# Altium PCB eeg.PcbDoc (continued)
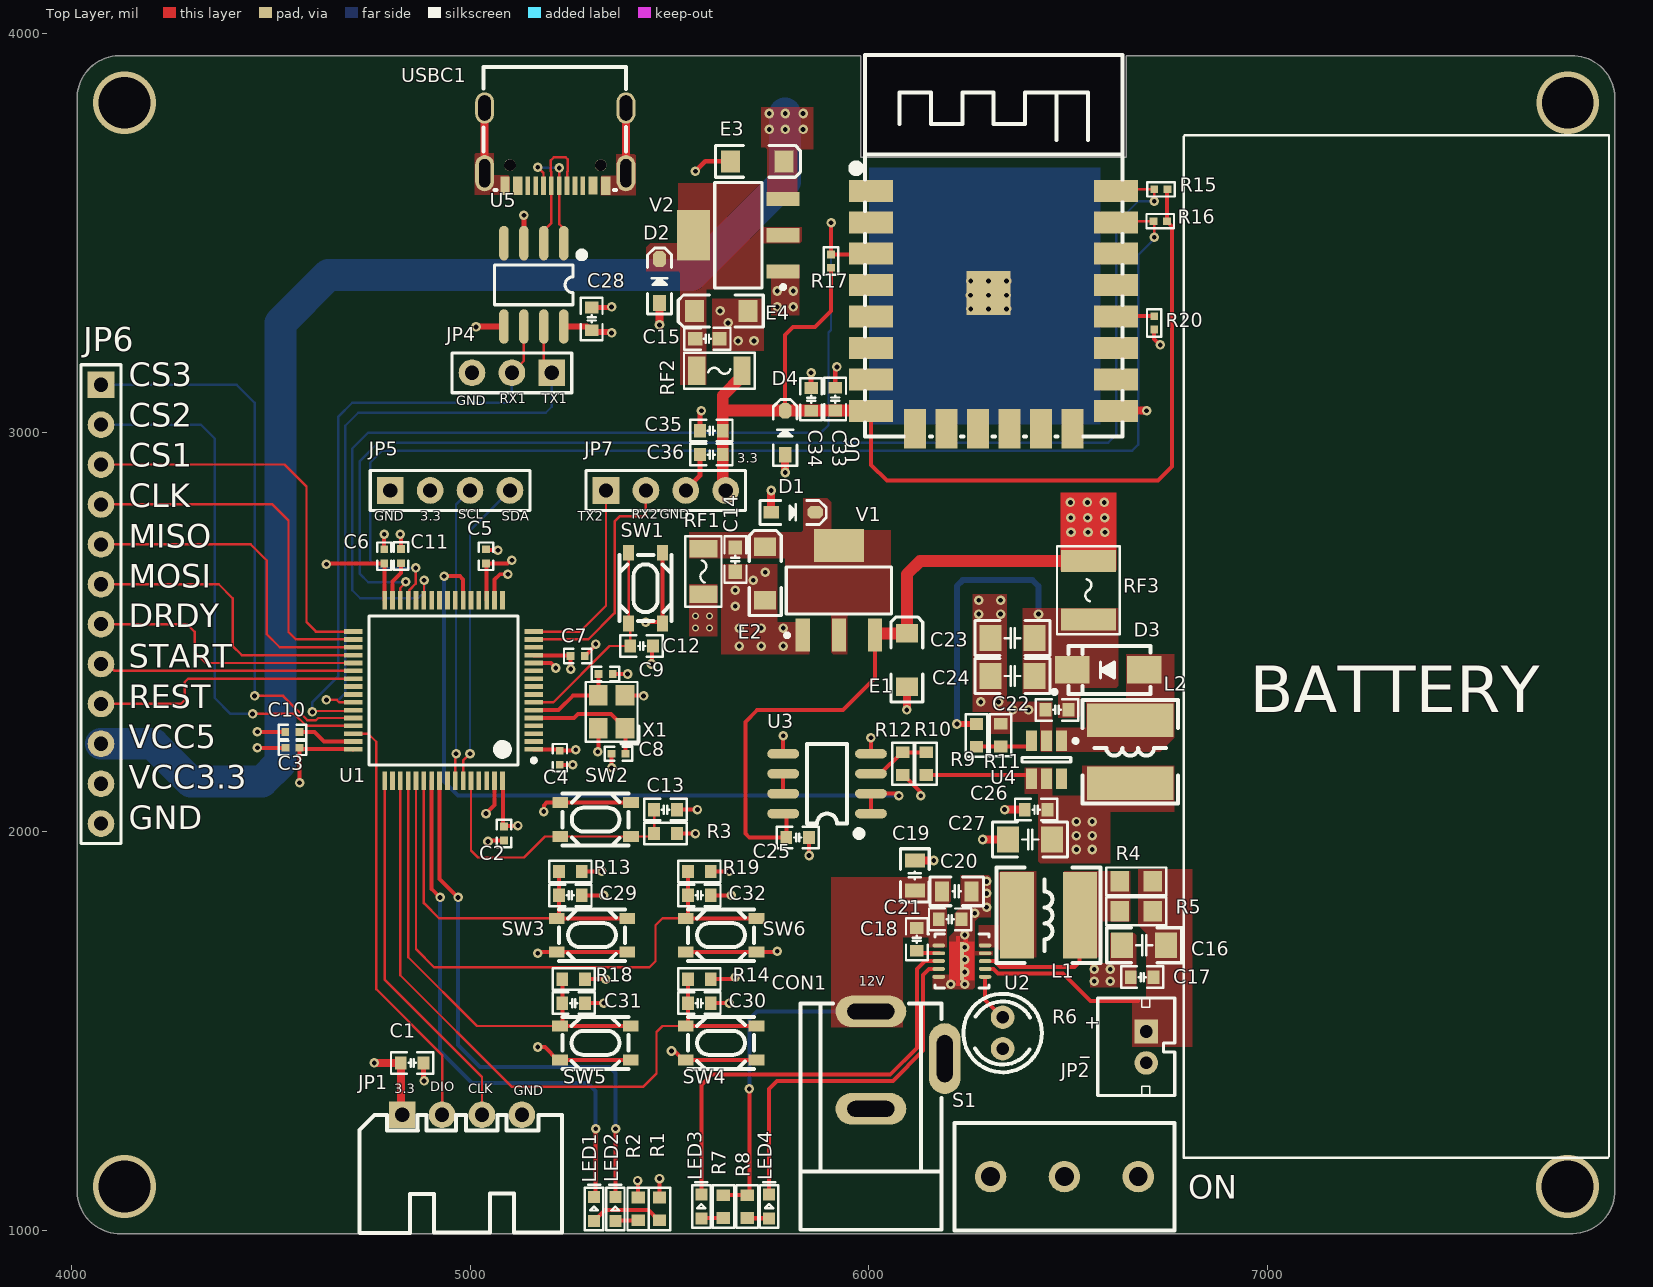
[diagram p0: Top Layer view]
## Footprints (in the part's own frame and the unit in brackets; to place one, negate y for a bottom-side part, rotate by r counter-clockwise, add the part's x,y. Pads: shape width x height; smd on the part's side, far side on the other; paste and mask are expansions set on the pad) (continued)
  silkscreen extent -15.24,-1.27 15.24,1.27, body extent -15.24,-1.27 15.24,1.27, height 8.5
LED0603_Y [mil] "黄色0603LED"
  rect 30x30 smd: 1(-30,0) 2(30,0)
  silkscreen extent -53,-23 61,23, body extent -31,-16 31,16, height 18
PH2.0-L-2P [mm] "长：5.9mm，宽：4.7mm，高：6mm"
  rect 1.5x1.5 hole 0.8: 1(-1,0)
  round 1.5 hole 0.8: 2(1,0)
  silkscreen extent -3.13,-3.08 3.06,1.82, body extent -2.95,-3 2.95,1.7, height 6.05
PK0406 [mm] "2*5*8mm(脚距，直径，高）"
  round 1.5 hole 0.8: 1(-1,0) 2(1,0)
  silkscreen extent -2.5,-2.5 2.5,2.5, body extent -2.5,-2.5 2.5,2.5, height 8.02
R0402_L [mm] "1/16W贴片电阻"
  rect 0.5x0.5 smd: 1(-0.425,0) 2(0.425,0)
  silkscreen extent -0.88,-0.46 0.87,0.46, body extent -0.5,-0.25 0.5,0.25, height 0.3
R0603_L [mm] "1/10W贴片电阻"
  rect 0.75x0.85 smd: 1(-0.725,0) 2(0.725,0)
  silkscreen extent -1.35,-0.69 1.35,0.69, body extent -0.8,-0.4 0.8,0.4, height 0.4
R0805_M [mm] "1/8W贴片电阻"
  rect 1.2x1.3 smd: 1(-1.05,0) 2(1.05,0)
  silkscreen extent -1.9,-0.89 1.9,0.89, body extent -1,-0.62 1,0.62, height 0.5
SMA [mm] "4.5x2.6*2.2mm（长宽高，不包括引脚）联系卖家 免费查找封装"
  rect 2.2x1.75 smd: 1(-2.3,0) 2(2.3,0)
  silkscreen extent -2.7,-1.52 3.56,1.52, body extent -2.55,-1.3 2.55,1.3, height 2.15
SOD-323 [mm] "1.8x1.3X0.9mm（长宽高，不包括引脚）联系卖家 免费人工查找封装"
  rect 1x0.8 smd: 1(-1.4,0)
  oct 1x0.8 smd: 2(1.4,0)
  silkscreen extent -2.11,-0.76 2.11,0.76, body extent -1.32,-0.65 1.32,0.65, height 0.95
SOIC-8 [mm]
  oval 2.2x0.6 smd: 1(-2.654,1.905) 2(-2.654,0.635) 3(-2.654,-0.635) 4(-2.654,-1.905) 5(2.654,-1.905) 6(2.654,-0.635) 7(2.654,0.635) 8(2.654,1.905)
  silkscreen extent -2.06,-2.5 1.27,3.2, body extent -3,-2.5 3,2.5, height 1.9
SOP8_N [mil] "5*6*1.8mm（长宽高）"
  oval 80x24 smd: 1(-110,75) 2(-110,25) 3(-110,-25) 4(-110,-75) 5(110,-75) 6(110,-25) 7(110,25) 8(110,75)
  silkscreen extent -86,-100 50,131, body extent -118,-98 118,98, height 75
SOT23-6M [mm] "SOT-23, 6-Leads, Body 2.90x1.60mm, Pitch 0.95mm, IPC Low Density"
  rect 1.3x0.7 smd: 1(-1.2,0.95) 2(-1.2,0) 3(-1.2,-0.95) 4(1.2,-0.95) 5(1.2,0) 6(1.2,0.95)
  silkscreen extent -1.32,-1.55 0.15,1.98, body extent -1.4,-1.5 1.4,1.5, height 1.15
SOT223_L [mm] "SOT223, 4-Leads, Body 6.5x3.5mm, Pitch 2.3mm, Lead Span 7mm, IPC High Density"
  rect 0.9x2.1 smd: 1(-2.3,-2.85) 2(0,-2.85) 3(2.3,-2.85)
  rect 3.2x2.1 smd: 4(0,2.85)
  silkscreen extent -3.42,-2.97 3.35,1.5, body extent -3.25,-3.51 3.25,3.51, height 1.65
SS-12D10 [mm] "脚距3mm      淘宝ID:黄晶宝石"
  round 2 hole 1.2: 1(-4.7,0) 2(0,0) 3(4.7,0)
  silkscreen extent -7,-3.43 7,3.43, body extent -7,-3.1 7,3.1, height 9.65
SW-SMD-4.2x3.2_4P [mil]
  rect 39.4x27.6 smd mask+2: 1(-88.6,42.3) 2(-88.6,-42.3) 3(88.6,-42.3) 4(88.6,42.3)
  silkscreen extent -83,-65 83,65, body extent -92,-65 92,65, height 99
TQFP64_V [mm] "Thin QFP, 64-Leads, Body 10x10mm, Pitch 0.5mm, ST Recommended"
  rect 1.2x0.3 smd: 1(-5.75,3.75) 2(-5.75,3.25) 3(-5.75,2.75) 4(-5.75,2.25) 5(-5.75,1.75) 6(-5.75,1.25) 7(-5.75,0.75) 8(-5.75,0.25) 9(-5.75,-0.25) 10(-5.75,-0.75) 11(-5.75,-1.25) 12(-5.75,-1.75) 13(-5.75,-2.25) 14(-5.75,-2.75) 15(-5.75,-3.25) 16(-5.75,-3.75) 33(5.75,-3.75) 34(5.75,-3.25) 35(5.75,-2.75) 36(5.75,-2.25) 37(5.75,-1.75) 38(5.75,-1.25) 39(5.75,-0.75) 40(5.75,-0.25) 41(5.75,0.25) 42(5.75,0.75) 43(5.75,1.25) 44(5.75,1.75) 45(5.75,2.25) 46(5.75,2.75) 47(5.75,3.25) 48(5.75,3.75)
  rect 0.3x1.2 smd: 17(-3.75,-5.75) 18(-3.25,-5.75) 19(-2.75,-5.75) 20(-2.25,-5.75) 21(-1.75,-5.75) 22(-1.25,-5.75) 23(-0.75,-5.75) 24(-0.25,-5.75) 25(0.25,-5.75) 26(0.75,-5.75) 27(1.25,-5.75) 28(1.75,-5.75) 29(2.25,-5.75) 30(2.75,-5.75) 31(3.25,-5.75) 32(3.75,-5.75) 49(3.75,5.75) 50(3.25,5.75) 51(2.75,5.75) 52(2.25,5.75) 53(1.75,5.75) 54(1.25,5.75) 55(0.75,5.75) 56(0.25,5.75) 57(-0.25,5.75) 58(-0.75,5.75) 59(-1.25,5.75) 60(-1.75,5.75) 61(-2.25,5.75) 62(-2.75,5.75) 63(-3.25,5.75) 64(-3.75,5.75)
  silkscreen extent -5.87,-4.75 4.75,4.75, body extent -5,-5 5,5, height 1.6
USB-C-SMD_16P [mm] "封装库来自淘宝ID:黄晶宝石"
  oval 1.2x2.3 hole 0.7 slot 1.8 at 90 deg: 0(-4.5,-1.675) 0(4.5,-1.675)
  oval 1.2x2 hole 0.8 slot 1.6 at 90 deg: 0(-4.5,2.475) 0(4.5,2.475)
  rect 0.3x1.15 smd: A1(3.35,-2.473) A4(2.55,-2.471) A5(1.25,-2.475) A6(0.25,-2.475) A7(-0.25,-2.473) A9(-2.55,-2.475) A12(-3.35,-2.475) B1(-3.05,-2.475) B4(-2.25,-2.475) B5(-1.75,-2.475) B6(-0.75,-2.475) B7(0.75,-2.473) B9(2.25,-2.471) B12(3.05,-2.473)
  rect 0.3x1.148 smd: A8(1.75,-2.475) B8(-1.25,-2.475)
  round 0.75 hole 0.75 unplated: ""(-2.89,-1.175) ""(2.89,-1.175)
  silkscreen extent -4.56,-2.75 4.5,5.08, body extent -4.45,-2.87 4.49,5.03, height 3.25
XH2.54-WI-4P [mm] "接插件，4P"
  rect 1.7x1.7 hole 0.9: 1(-3.81,0)
  round 1.7 hole 0.9: 2(-1.27,0) 3(1.27,0) 4(3.81,0)
  silkscreen extent -6.53,-7.53 6.35,0, body extent -6.31,-7.5 6.31,0.2, height 2.89
XTAL-3225-4P [mm] "3.2*2.5*0.7mm(长宽高)                             淘宝ID:黄晶宝石"
  rect 1.3x1.2 smd: 1(-1.05,-0.85) 2(1.05,-0.85) 3(1.05,0.85) 4(-1.05,0.85)
  silkscreen extent -2.03,-1.75 1.91,1.65, body extent -1.6,-1.25 1.6,1.25, height 0.7

## Part data
C1 C2 C3 C4 C5 C6 C7 C8 C9 C10 C11 C12 C13 C14 C15 C17 C18 C21 C22 C25 C26 C27 C28 C29 C30 C31 C32 C33 C34 C35 C36: library part C, "贴片电容/MLCC电容", BOM名称=无极性贴片电容
  C1 C2 C3 C4 C5 C6 C7 C8 C9 C10 C11 C12 C13 C14 C15 C17 C18 C21 C28 C29 C30 C31 C32 C33 C34 C35 C36: 联系下单店铺卖家 免费帮你查找封装="联系下单店铺卖家 免费技术指导"
C16 C19 C20: library part C, "贴片电容/MLCC电容", jlc_id=C45783, BOM名称=无极性贴片电容, 联系下单店铺卖家 免费帮你查找封装="联系下单店铺卖家 免费技术指导"
C23 C24: library part C, "贴片电容/MLCC电容", jlc_id=C15008, BOM名称=无极性贴片电容
CON1: library part DC002~DC005, "低压DC电源接口", BOM名称=DC电源接口, 当前库版本V2024.2.3 @淘宝卖家:黄晶宝石=最新版本发布https://item.taobao.com/item.htm?id=566775463719
D1 D2: library part TVS, "TVS通用 C78439", 当前库版本V2024.3.30 @淘宝卖家:黄晶宝石=最新版本发布https://item.taobao.com/item.htm?id=566775463719
D3: "肖特基二极管 C85098", BOM名称=肖特基二极管, 属性=60V/5A
D4: "静电和浪涌保护 3.3V双向", jlc_id=C78439
E1 E3: library part CT, "贴片钽电容 C7171", BOM名称=贴片钽电容, 联系下单店铺卖家 免费帮你查找封装="联系下单店铺卖家 免费技术指导"
E2 E4: library part CT, "贴片钽电容  C11366", BOM名称=贴片钽电容, 联系下单店铺卖家 免费帮你查找封装="联系下单店铺卖家 免费技术指导"
JP1 JP5 JP7: library part "Header 4", "4P接插件", BOM名称=4P接插件, 封装库来自淘宝卖家ID：黄晶宝石=其他店铺购入均为盗版封装库，请立即申请退款，本店现金奖励50~200元, 联系卖家，免费查找封装=唯一出售店铺网址https://shop463601444.taobao.com
JP2: library part "Header 2", "2P接插件", BOM名称=2P接插件, 封装库来自淘宝卖家：黄晶宝石=获取最新版本https://shop463601444.taobao.com, 联系下单店铺卖家 免费帮你查找封装="联系下单店铺卖家 免费技术支持"
JP4: library part "Header 3", "3P接插件", BOM名称=3P接插件, 封装库来自淘宝卖家ID：黄晶宝石=其他店铺购入均为盗版封装库，请立即申请退款，本店现金奖励50~200元, 联系卖家，免费查找封装=唯一出售店铺网址https://shop463601444.taobao.com
JP6: library part "Header 12", "12P接插件", BOM名称=12P接插件, 封装库来自淘宝卖家ID：黄晶宝石=其他店铺购入均为盗版封装库，请立即申请退款，本店现金奖励50~200元, 联系卖家，免费查找封装=唯一出售店铺网址https://shop463601444.taobao.com
L1 L2: library part L-SMD, "CD系列贴片线绕功率电感", jlc_id=C177246, BOM名称=功率电感
LED1 LED2 LED3 LED4: library part LED, "贴片LED", BOM名称=贴片LED, 封装库来自淘宝卖家：黄晶宝石=其他店铺购入均为盗版封装库，无更新权益，请立即申请退款，本店现金奖励200~1000元
R1 R2 R3 R7 R8 R9 R10 R11 R12 R13 R14 R15 R16 R17 R18 R19 R20: library part R, "贴片电阻", BOM名称=贴片电阻, 联系下单店铺卖家 免费帮你查找封装="联系下单店铺卖家 免费技术指导"
R4: library part R, "贴片电阻", jlc_id=C127691, BOM名称=贴片电阻, 联系下单店铺卖家 免费帮你查找封装="联系下单店铺卖家 免费技术指导"
R5: library part R, "贴片电阻", jlc_id=C25334, BOM名称=贴片电阻, 联系下单店铺卖家 免费帮你查找封装="联系下单店铺卖家 免费技术指导"
R6: library part RT, "热敏电阻", BOM名称=压敏电阻, 当前库版本V2024.3.30 @淘宝卖家:黄晶宝石=最新版本发布https://item.taobao.com/item.htm?id=566775463719
RF1: library part FUSE-PPTC, "PPTC自恢复保险丝 C910830", jlc_id=C910830, BOM名称=PPTC自恢复保险丝, 当前库版本V2024.3.30 @淘宝卖家:黄晶宝石=最新版本发布https://item.taobao.com/item.htm?id=566775463719
RF2: library part FUSE-PPTC, "PPTC自恢复保险丝 C910830", BOM名称=PPTC自恢复保险丝, 当前库版本V2024.3.30 @淘宝卖家:黄晶宝石=最新版本发布https://item.taobao.com/item.htm?id=566775463719
RF3: library part FUSE-PPTC, "PPTC自恢复保险丝 C910830", jlc_id=C883154, BOM名称=PPTC自恢复保险丝, 当前库版本V2024.3.30 @淘宝卖家:黄晶宝石=最新版本发布https://item.taobao.com/item.htm?id=566775463719
S1: library part SSW-1P, "1路波动开关", BOM名称=波动开关, 联系下单店铺卖家 免费技术支持="联系下单店铺卖家 免费帮你查找封装"
SW1 SW2 SW3 SW4 SW5 SW6: library part "SW SMD-3*4*2.5", "贴片4脚轻触开关", 联系下单店铺卖家 免费技术支持="联系下单店铺卖家 免费帮你查找封装"
U1: "ARM Cortex-M4 32b MCU+FPU, 210DMIP, 1024 kB Flash, 192+4 kB RAM, 51 I/Os, 64-pin LQFP, -40 to +85癈, Tray", Operating Frequency (Processor Speed)=168MHz, 16-bit Timers (IC/OC/PWM)=12x16-bit(24/24/30), 32-bit Timer (IC/OC/PWM)="2x32-bit (8/8/8)", A/D Converter=16x12-bit, ComponentLink1Description="Manufacturer URL", ComponentLink1URL=http://www.st.com/, ComponentLink2Description="STM32F405/7 Datasheet", ComponentLink2URL=http://www.st.com/internet/com/TECHNICAL_RESOURCES/TECHNICAL_LITERATURE/DATASHEET/DM00037051.pdf, ComponentLink3Description="STM32F4 Web Page", ComponentLink3URL=http://www.st.com/internet/mcu/subclass/1521.jsp, D/A Converter=2x12-bit, DatasheetVersion="rev2, Jan-2012", Internal RAM=192kB, Other Timer Functions="2xWDG, RTC, 24-bit down counter", PackageDescription="64-Pin Low Profile Quad Flat Package, 10x10 mm Body, 0.5 mm Pitch", PackageReference=TQFP64, PackageVersion=2012, Serial Interface="3xSPI/2xI2S/2xI2C/3xUSART(IrDa, ISO7816)/3xUART/1xUSB OTG FS/HS, 2xCAN/ SDIO", 当前库版本V2023.3.12 @淘宝卖家:黄晶宝石=最新版本发布https://item.taobao.com/item.htm?id=566775463719
U2: "1锂电池充电ic 2.5a 4.2v 4V~26V输入", Charging Saturation Voltage=4.2V, jlc_id=C711584, JLCPCB Part Class=扩展库, LCSC Part Name=宽输入电压2.5A单节锂电池充电管理IC, Manufacturer=无锡松朗微, Maximum Charge Current=2.5A, Operating Temperature=-40℃~+85℃, Supply Voltage=4V~26V, Add into BOM=yes, Convert to PCB=yes, Datasheet=https://atta.szlcsc.com/upload/public/pdf/source/20200723/C711584_2224278DBAF55B7B34A102BEBD70C238.pdf, Device=SLM6305, Manufacturer Part=SLM6305, Number of Cells=1, Supplier=LCSC, Supplier Footprint=TDFN-10-EP(3x3), Symbol=SLM6305, The Chip Type=降压充电芯片, Type of Battery=锂离子/聚合物
U3: "Fast Settling Dual Operational Amplifier", jlc_id=C2923376, 联系卖家 免费查找封装=唯一出售店铺网址https://shop463601444.taobao.com
U4: "Boost升压DC-DC芯片 2-28V"
U5: "USB转串口芯片, 内置晶振", 封装库来自淘宝卖家：黄晶宝石="其他店铺购入均为盗版封装库，无更新权益，请立即申请退款，联系卖家：黄晶宝石 获取现金奖励200~5000元"
U6: "esp32-12f的替代 2.4g wifi和蓝牙", JLCPCB Part Class=扩展库, LCSC Part Name="Ai- WB2- 12F", Manufacturer=Ai-Thinker(安信可), Operating Temperature=-40℃~+85℃, Operating Voltage=3.3V, Output Power=16dBm, Receive  Current=65mA, Send  Current=260mA, Add into BOM=yes, Antenna Type=板载PCB天线, Convert to PCB=yes, Core Processor=BL602芯片, Datasheet=https://atta.szlcsc.com/upload/public/pdf/source/20221011/A82852E3370C90F4DD91995C889100A2.pdf, Device=Ai-WB2-12F, Manufacturer Part=Ai-WB2-12F, Sensitivity=-98dBm, Supplier=LCSC, Supplier Footprint=SMD-22P, Supplier Part=C5187541, Support Interface=I2C；GPIO；UART；PWM；SPI；ADC, Symbol=AI-WB2-12F, Wireless Standard=802.11b/g/n；BLE5.0
USBC1: library part USB2.0_Type-C_16Pin, "USB2.0_Type-C_16Pin母座 C2765186", 当前库版本V2024.2.3 @淘宝卖家:黄晶宝石=最新版本发布https://item.taobao.com/item.htm?id=566775463719
V1 V2: library part AMS1117, "三端稳压芯片", BOM名称=稳压芯片, 当前库版本V2024.3.30 @淘宝卖家:黄晶宝石=最新版本发布https://item.taobao.com/item.htm?id=566775463719, 联系下单店铺卖家 免费帮你查找封装="联系下单店铺卖家 免费技术支持"
X1: library part XTAL-4P, "4脚无源晶振(谐振器）C9006", jlc_id=C9006, BOM名称=4脚无源晶振(谐振器）, 联系下单店铺卖家 免费帮你查找封装="联系下单店铺卖家 免费技术指导"

## Via types
v1: diameter 24, hole 12, Top Layer to Bottom Layer, tented both sides, 156 vias
v2: diameter 18, hole 10, Top Layer to Bottom Layer, tented both sides, 4 vias
v3: diameter 157.48, hole 129.92, Top Layer to Bottom Layer, 4 vias

## Nets (pads, with @x,y where several pads share a name; then routed paths per layer and width w, separated by ;. In a path a pad name is that pad's centre, name@x,y a point inside that pad or via, vN(x,y) a via of type N, cw(c..) or ccw(c..) an arc to the next point about the centre after c; other vN are vias at no path point)
BAT_Volatge_in: U1.22 U3.1 U3.2 | length 1894.8
  Top Layer w10: v1(4935,2640) 4975,2640 4982.8,2632.2 U1.22 ; U3.1 U3.2 6070,2095 v1(6075,2090)
  Bottom Layer w10: v1(4935,2640) 4935,2125 4970,2090 v1(6075,2090)
BOOT0: C13.1 R3.1 SW2.2 SW2.3 U1.60 | length 725.8
  Top Layer w6: U1.60 5002.48,1952.52 5020,1935 5135,1935 5187.7,1987.7 SW2.2 SW2.3 5454.16,1987.7 R3.1 C13.1
button1: C29.2 R13.2 SW3.1 SW3.4 U1.54 | length 952.3
  Top Layer w6: U1.54 4884.37,1820.63 4922.5,1782.5 SW3.1
  Top Layer w10: R13.2 C29.2 5222.9,1788.26 SW3.1 SW3.4
button2: C30.2 R14.2 SW4.1 SW4.4 U1.51 | length 1740
  Top Layer w6: U1.51 4825.31,1639.69 5105,1360 5433.99,1360 5467.5,1393.51 5467.5,1497.5 5482.5,1512.5 SW4.1
  Top Layer w10: R14.2 C30.2 5546.46,1518.26 SW4.1 SW4.4
button3: C31.2 R18.2 SW5.1 SW5.4 U1.52 | length 1191.5
  Top Layer w6: U1.52 4845,1685 5017.5,1512.5 SW5.1
  Top Layer w10: R18.2 C31.2 5231.46,1518.26 SW5.1 SW5.4
button4: C32.2 R19.2 SW6.1 SW6.4 U1.53 | length 1517.3
  Top Layer w6: U1.53 4864.69,1705.32 4910,1660 5450,1660 5465,1675 5465,1765 5482.5,1782.5 SW6.1
  Top Layer w10: R19.2 C32.2 5546.46,1788.26 SW6.1 SW6.4
D_N: U5.2 USBC1.A7 USBC1.B7 | length 329.9
  Top Layer w6: U5.2 5185,3506.5 5203.94,3525.44 USBC1.A7 5203.94,3653.62 5202.63,3654.93 5202.63,3682.63 5210,3690 5239.8,3690 5244.63,3685.17 5244.63,3654.93 5243.32,3653.62 USBC1.B7
D_P: U5.1 USBC1.A6 USBC1.B6 | length 299.6
  Top Layer w6: v1(5170,3665) 5170,3664.72 5184.26,3650.46 USBC1.B6 ; v1(5223.63,3663.63) USBC1.A6 5223.63,3522.64 5235,3511.26 U5.1
  Bottom Layer w6: v1(5170,3665) 5170.69,3664.31 5222.94,3664.31 v1(5223.63,3663.63)
DRDY: JP6.7 U1.37 | length 702.2
  Top Layer w6: JP6.7 4290.56,2520 4310,2500.56 4310,2450 4337.48,2422.52 U1.37
GND: C1.2 C2.1 C3.1 C4.1 C5.1 C6.1 C7.1 C8.1 C9.1 C10.1 C11.1 C12.2 C14.2 C15.2 C16.1 C17.1 C19.1 C20.1 C21.2 C22.1 C23.1 C24.1 C25.1 C26.1 C27.1 C28.2 C29.1 C30.1 C31.1 C32.1 C33.1 C34.1 C35.1 C36.1 CON1.2 D1.1 D2.1 D4.1 E1.2 E2.2 E3.2 E4.2 JP1.4 JP2.2 JP4.3 JP5.1 JP6.12 JP7.3 R3.2 R6.1 R11.1 R12.1 R20.1 SW1.1 SW1.4 SW3.2 SW3.3 SW4.2 SW4.3 SW5.2 SW5.3 SW6.2 SW6.3 U1.12 U1.18 U1.63 U2.5 U2.9 U2.11 U3.4 U3.5 U4.2 U5.3 U6.9 U6.23 USBC1.0 USBC1.A1 USBC1.A12 USBC1.B1 USBC1.B12 V1.1 V2.1 X1.2 X1.4 | length 3755.4
  Top Layer w10: v1(4467,2210) C3.1 ; v1(4467,2250) 4500,2250 4500.4,2249.6 C10.1 ; C6.1 v1(4785,2745) ; v1(4825,2745) 4826.94,2743.06 C11.1 ; v1(5040,2045) 5061.54,2066.54 U1.63 ; C5.1 5041.36,2706.36 5068.64,2706.36 v1(5070,2705) ; v1(5045,1975) 5047.28,1977.28 C2.1 ; U1.18 5061.54,2631.54 5075,2645 v1(5095,2645) ; U1.12 5202.48,2422.52 v1(5215,2410) ; v1(5170,1460) 5187.7,1460 5219.8,1427.9 SW5.2 SW5.3 ; v1(5170,1695) 5172.9,1697.9 SW3.2 SW3.3 ; C4.1 v1(5257.72,2167.28) ; C29.1 v1(5335,1840) ; C7.1 5315,2467.28 v1(5315,2470) ; C31.1 v1(5335,1570) ; v1(5320,2200) 5321.54,2201.54 X1.4 ; C8.1 5354.57,2160.43 v1(5355,2160) ; C9.1 v1(5395,2395) ; X1.2 5433.66,2341.34 v1(5435,2340) ; v1(5440,2525) 5478.7,2525 SW1.4 SW1.1 ; v1(5455,2420) 5456.77,2421.77 5456.77,2463.23 C12.2 ; v1(5505,1450) 5512.7,1450 5534.8,1427.9 SW4.2 SW4.3 ; R3.2 v1(5565,1995) ; SW6.2 SW6.3 5767.9,1697.9 v1(5770,1700) ; C30.1 v1(5650,1570) ; C32.1 v1(5655,1840) ; U3.5 v1(5785,2240) ; v1(5850,1940) C25.1 ; U3.4 v1(6005,2235) ; R12.1 6086.97,2141.46 6130,2098.43 v1(6130,2090) ; R20.1 6715,3235 v1(6730,3220)
  Top Layer w12: C1.2 4883.54,1376.46 v1(4885,1375) ; U5.3 v1(5135,3545) ; C28.2 5353.54,3313.54 v1(5355,3315) ; JP7.3 5540.98,2856.84 5576.46,2892.31 C36.1 ; v1(5565,3655) 5590,3680 E3.2 ; C35.1 5576.46,3051.46 v1(5580,3055) ; C34.1 v1(5855,3150) ; C33.1 5915.41,3160.41 v1(5919.59,3164.59)
  Top Layer w20: USBC1.0@5036.62,3650.32 USBC1.0@5036.62,3813.7 ; USBC1.0@5390.95,3650.32 USBC1.0@5390.95,3813.7 ; v1(5475,3270) D2.1 ; D1.1 v1(5754.88,2854.88) ; v1(5790,2900) D4.1 ; v1(6095,2305) E1.2 ; C19.1 v1(6162.6,1927.4) ; v1(6285,1980) C27.1 ; v1(6340,2055) C26.1 ; U6.9 6620.02,3054.86 6695.86,3054.86 v1(6696,3055)
  other v1: 6205,1616.99 6240,1616.99 6565,1625 6605,1625 6240,1647.99 6565,1655 6605,1655 6240,1679 6240,1710 6240,1741 6265,1795 6295,1810 6295,1845 6295,1875 6360,2305 6400,2305 6280,2325 6325,2325 5675,2465 5730,2465 5785,2465 5675,2510 5730,2510 5785,2510 6275,2545 6330,2545 5665,2565 6275,2580 6330,2580 5665,2605 5710,2630 5740,2650 5671.89,3230 5711.89,3230 5646.89,3275 5626.89,3305 6255,3310 6300,3310 6345,3310 5770,3315 5810,3315 6254.45,3344.16 6299.45,3344.16 6344.45,3344.16 5770,3355 5810,3355 6255,3380 6300,3380 6345,3380
LED1: LED1.2 U1.55 | length 1384.9
  Top Layer w10: U1.55 4904.06,1855.94 v1(4925,1835) ; LED1.2 5315,1088.07 v1(5315,1255)
  Bottom Layer w10: v1(4925,1835) 4925,1450 5005,1370 5295,1370 5315,1350 v1(5315,1255)
LED2: LED2.2 U1.56 | length 1416.6
  Top Layer w10: U1.56 4923.74,1881.26 v1(4970,1835) ; LED2.2 5365,1084.74 5365,1195 v1(5365,1255)
  Bottom Layer w10: v1(4970,1835) 4970,1465 5025,1410 5350,1410 5365,1395 v1(5365,1255)
NetC14_1: C14.1 D1.2 E2.1 RF1.2 V1.2 V1.4
NetC15_1: C15.1 D2.2 E4.1 RF2.2 V2.2 V2.4
NetC18_1: C18.1 U2.2 | length 57.7
  Top Layer w10: C18.1 6126.38,1695.08 6174.92,1695.08 U2.2
NetC22_2: C22.2 C23.2 C24.2 D3.2 R9.2 RF3.1 | length 681.9
  Top Layer w15: v1(6220.48,2269.52) R9.2
  Bottom Layer w15: v1(6220.48,2269.52) 6220.48,2615.48 6235,2630 6410,2630 6425,2615 v1(6425,2545)
NetC26_2: C26.2 C27.2 L2.2 R10.2 S1.2 U4.4 U4.5 | length 267.9
  Top Layer w10: R10.2 6398.9,2141.46 U4.4
  other v1: 6520,1955 6560,1955 6520,1990 6560,1990 6520,2025 6560,2025
NetD3_1: D3.1 L2.1 U4.1
NetL1_1: L1.1 U2.10
NetL1_2: L1.2 R4.1 R5.1 U2.8 | length 365.9
  Top Layer w10: U2.8 6314.69,1675.31 6330,1660 6515,1660 6527.59,1672.59 6527.59,1788.85 L1.2
NetLED1_1: LED1.1 R1.2 | length 185.9
  Top Layer w10: LED1.1 5338.22,1051.29 5447.27,1051.29 5473.03,1025.53 R1.2
NetLED2_1: LED2.1 R2.2 | length 57.9
  Top Layer w10: LED2.1 5365.79,1025.53 R2.2
NetLED3_1: LED3.1 R7.2 | length 55.6
  Top Layer w10: LED3.1 5581.45,1031.46 R7.2
NetLED3_2: LED3.2 U2.3 | length 1114.2
  Top Layer w10: LED3.2 5580,1365 5606,1391 6053.37,1391 6120,1457.63 6120,1655 6140.31,1675.31 U2.3
NetLED4_1: LED4.1 R8.2 | length 55.6
  Top Layer w12: R8.2 5695.73,1030.73 5749.27,1030.73 LED4.1
NetLED4_2: LED4.2 U2.4 | length 925.8
  Top Layer w10: LED4.2 5750,1355 5770,1375 6060,1375 6136,1451 6136,1641 6150.55,1655.55 6174.92,1655.55 U2.4
NetR6_2: R6.2 U2.6 | length 119.7
  Top Layer w10: U2.6 6291.14,1578.23 R6.2
NetR9_1: R9.1 R11.2 U4.3 | length 147.3
  Top Layer w10: R9.1 6269.87,2212.68 6329.76,2212.68 R11.2 6398.82,2212.91 6407.6,2221.69 U4.3
NetR10_1: R10.1 R12.2 U3.3 | length 160.5
  Top Layer w10: U3.3 6029.49,2145 6083.03,2198.54 R12.2 R10.1
NetR20_2: R20.2 U6.12 | length 95.4
  Top Layer w10: U6.12 6620.67,3291.73 R20.2
NetU3_6: U3.6 U3.7 | length 50
  Top Layer w10: U3.7 U3.6
OSC_IN: C8.2 U1.5 X1.1 | length 313.5
  Top Layer w10: U1.5 5260.5,2284.72 5271.02,2295.25 5353.84,2295.25 5388.46,2260.63 X1.1 5390,2257.13 C8.2
OSC_OUT: C9.2 U1.6 X1.3 | length 230.8
  Top Layer w10: U1.6 5221.83,2304.41 5258.76,2341.34 X1.3 5322.28,2342.09 C9.2
RESET: JP6.9 U1.39 | length 684.7
  Top Layer w6: JP6.9 4275,2320 4285,2330 4285,2375 4293.15,2383.15 U1.39
RST: C12.1 SW1.2 SW1.3 U1.7 | length 533.5
  Top Layer w6: U1.7 5209.09,2324.09 5350,2465 C12.1 SW1.3@5401.46,2521.4 ; SW1.3 SW1.2
SCL1: JP5.3 U1.58 | length 743
  Top Layer w6: U1.58 4963.11,2193.11 v1(4965,2195)
  Bottom Layer w6: v1(4965,2195) 4965,2820 JP5.3
SDA1: JP5.4 U1.59 | length 776.3
  Top Layer w6: U1.59 4982.8,2177.8 v1(5000,2195)
  Bottom Layer w6: v1(5000,2195) 5000,2755 JP5.4
SPI3_CLK: JP6.4 U1.34 | length 936.4
  Top Layer w6: JP6.4 4505,2820 4545,2780 4545,2500 4563.43,2481.57 U1.34
SPI3_CS: JP6.3 U1.33 | length 1004.8
  Top Layer w6: JP6.3 4535,2920 4590,2865 4590,2525 4613.74,2501.26 U1.33
SPI3_CS2: JP6.2 U1.45 | length 1325.7
  Top Layer w6: v1(4455,2295) 4559.48,2295 4589.44,2265.04 U1.45
  Bottom Layer w6: JP6.2 4325,3020 4360,2985 4360,2335 4400,2295 v1(4455,2295)
SPI3_CS3: JP6.1 U1.44 | length 1413.5
  Top Layer w6: v1(4460,2340) 4531.45,2340 4592.45,2279 4613.7,2279 4619.42,2284.72 U1.44
  Bottom Layer w6: JP6.1 4415,3120 4460,3075 v1(4460,2340)
SPI3_MISO: JP6.5 U1.35 | length 847.5
  Top Layer w6: JP6.5 4450,2720 4490,2680 4490,2495 4523.11,2461.89 U1.35
SPI3_MOSI: JP6.6 U1.36 | length 776.1
  Top Layer w6: JP6.6 4370,2620 4405,2585 4405,2465 4427.8,2442.2 U1.36
START: JP6.8 U1.38 | length 639.3
  Top Layer w6: JP6.8 4091.49,2420 4108.65,2402.83 U1.38
SWCLK: JP1.3 U1.49 | length 938.3
  Top Layer w6: U1.49 4785.94,1629.06 5030,1385 JP1.3
SWDIO: JP1.2 U1.46 | length 1069.6
  Top Layer w6: U1.46 4744.65,2245.35 4765,2225 4765,1605 4930,1440 JP1.2
UART1_RX: JP4.2 U1.43 U5.6 | length 1518
  Top Layer w6: v1(4605,2300) 4607.2,2302.2 4705,2302.2 U1.43 ; JP4.2 5105,3150.05 5135,3180.05 U5.6
  Bottom Layer w6: v1(4605,2300) 4605,2324.7 4670,2389.7 4670,3040 4705,3075 5095,3075 5105,3085 JP4.2
UART1_TX: JP4.1 U1.42 U5.7 | length 1540.9
  Top Layer w6: v1(4640,2330) 4665.95,2330 4671.85,2324.09 U1.42 ; U5.7 5185,3170 JP4.1
  Bottom Layer w6: v1(4640,2330) 4670,2330 4687.27,2347.27 4687.27,3017.27 4720,3050 5190,3050 5205,3065 JP4.1
UART2_RX: JP7.2 U1.15 | length 605
  Top Layer w6: U1.15 5296.57,2481.57 5362.5,2547.5 5362.5,2777.5 5375,2790 5435,2790 5440.98,2795.98 JP7.2
UART2_TX: JP7.1 U1.16 | length 496.8
  Top Layer w6: U1.16 5276.26,2501.26 5340.98,2565.98 JP7.1
UART3_RX: R15.2 U1.30 U6.16 | length 3156.7
  Top Layer w6: U1.30 4825.31,2610.31 4838.87,2623.87 v1(4838.87,2626.13) ; U6.16 6623.97,3610 R15.2 v1(6715,3580)
  Bottom Layer w6: v1(4838.87,2626.13) 4837.73,2625 4745,2625 4724,2646 4724,2929 4770,2975 6600,2975 6620,2995 6620,3525 6675,3580 v1(6715,3580)
UART3_TX: R16.2 U1.29 U6.15 | length 3071.6
  Top Layer w6: U1.29 4847.91,2582.91 4847.91,2605.48 4864,2621.57 4864,2660.48 v1(4863.72,2660.76) ; U6.15 6622.71,3530 R16.2 6715,3528.27 v1(6715,3490)
  Bottom Layer w6: v1(4863.72,2660.76) 4862.96,2660 4770,2660 4750,2680 4750,2925 4780,2955 6660,2955 6675,2970 6675,3445.13 6715,3485.13 v1(6715,3490)
VCAP1: C10.2 U1.47 | length 144.6
  Top Layer w10: C10.2 4610.4,2249.6 4634.33,2225.67 U1.47
VCAP2: C11.2 U1.31 | length 101.5
  Top Layer w10: U1.31 4805.63,2626.54 4826.94,2647.85 C11.2
VCC3_3: C1.1 C2.2 C3.2 C4.2 C5.2 C6.2 C7.2 C13.2 C28.1 JP1.1 JP5.2 JP6.11 R1.1 R2.1 R13.1 R14.1 R18.1 R19.1 RF1.1 SW2.1 SW2.4 U1.1 U1.13 U1.19 U1.32 U1.48 U1.64 U5.5 U5.8 | length 1996.4
  Top Layer w10: v1(4572.72,2122.28) C3.2 4575.83,2206.89 4706.3,2206.89 U1.48 ; v1(4640,2670) 4642.28,2672.28 C6.2 4785.47,2671.81 4785.47,2580.47 U1.32 ; U1.19 5040.94,2580.91 5040.94,2671.34 C5.2 5093.5,2672.28 5101.21,2680 v1(5105,2680) ; U1.64 5082.13,2126.34 5082.13,2015.59 C2.2 5087.28,2015 5088.43,2013.86 5118.86,2013.86 v1(5120,2015) ; U1.1 5160.87,2205.08 5222.64,2205.08 C4.2 5262.72,2202.72 v1(5265,2205) ; U1.13 5160.87,2441.3 5250.98,2441.3 C7.2 v1(5252.28,2407.28) ; v1(5185,2050) 5185,2065 5192.3,2072.3 SW2.1 SW2.4 ; R13.1 v1(5330,1900) ; R18.1 v1(5340,1630) ; v1(5420,1125) 5421.67,1123.33 R2.1 ; R1.1 v1(5475,1130) ; C13.2 v1(5570,2055) ; R14.1 5660,1630 v1(5665,1635) ; R19.1 v1(5650,1900)
  Top Layer w15: v1(5015,3265) 5016.02,3266.02 U5.5 ; U5.8 5293.46,3266.02 5303.03,3256.46 C28.1 5311.46,3250 5313.18,3251.72 5353.28,3251.72 v1(5355,3250)
  Top Layer w20: v1(4760,1420) C1.1 4826.46,1293.54 JP1.1
  other v2: 5565,2510 5600,2510 5565,2540 5600,2540
VCC3_3_WIFI: C33.2 C34.2 C35.2 C36.2 D4.2 JP7.4 R15.1 R16.1 R17.2 RF2.1 U6.8 | length 2755.7
  Top Layer w10: D4.2 5790,3245 5810,3265 5865,3265 5905,3305 R17.2 ; U6.8 6005.71,2919.29 6045,2880 6725,2880 6760,2915 6760,3516.73 R16.1 6747.6,3530.87 6747.6,3609.13 R15.1
  Top Layer w30: JP7.4 5640.98,2864.99 5633.54,2872.43 C36.2 C35.2 5633.54,3055 ; RF2.1 5681.89,3141.22 5633.54,3092.87 5633.54,3055 ; U6.8 6005.09,3055.34 5915.65,3055.34 C33.2 5913.91,3055.58 5913.34,3055 C34.2 5854.94,3055.06 5790.06,3055.06 D4.2 5789.88,3055 5633.54,3055
VCC5: C25.2 E1.1 E3.1 JP6.10 RF3.2 U3.8 V1.3 V2.3 | length 6230.4
  Top Layer w10: U3.8 5786.45,2045 5792.91,2038.53 C25.2 5700,1985 5690,1995 5690,2275 5720,2305 5935,2305 6015.31,2385.32 V1.3
  Top Layer w30: V1.3 6015.31,2494.21 6018.03,2496.93 E1.1 6095,2645 6127.97,2677.97 RF3.2
  Layer 2 w80: 5798.14,3596.86 5958.14,3596.86 6005,3550 6005,3245 6120,3130 6450,3130 6548.2,3031.8 v1(6548.2,2786.76)
  Bottom Layer w80: JP6.10 4205,2220 4300,2125 4478.14,2125 4525,2171.86 4525,3275 4645,3395 5555,3395 5790,3630 v1(5790,3800)
  other v1: 6506.56,2750.47 6549.06,2750.47 6591.56,2750.47 6505.7,2786.76 6590.7,2786.76 6505,2825 6547.5,2825 6590,2825 5750,3760 5790,3760 5835,3760 5750,3800 5835,3800
VCC12_from_dc: C18.2 C19.2 C20.2 C21.1 CON1.1 R7.1 R8.1 U2.1 | length 816.4
  Top Layer w10: R7.1 R8.1 5700,1093.54 v1(5700,1355)
  Bottom Layer w10: v1(5700,1355) 5700,1530 5719.08,1549.08 CON1.1
VCC_BAT: C16.2 C17.2 JP2.1 R4.2 R5.2 S1.1 U2.7 | length 417.3
  Top Layer w10: U2.7 6291.22,1655.55 6311.82,1655.55 6323.37,1644 6486,1644 6555,1575 6675,1575
WIFI_EN: R17.1 U1.27 U6.3 | length 2538.4
  Top Layer w6: U1.27 4884.69,2580.32 4884.69,2629.68 v1(4885,2630)
  Top Layer w10: v1(5905,3526) R17.1 6004.02,3446.73 U6.3
  Bottom Layer w6: v1(4885,2630) 4885,2600 4870,2585 4725,2585 4705,2605 4705,2960 4745,3000 5880,3000 5898.59,3018.59 5898.59,3251.16 5905,3257.56 v1(5905,3526)
pads on no net: CON1.3 S1.3 U1.2 U1.3 U1.4 U1.8 U1.9 U1.10 U1.11 U1.14 U1.17 U1.20 U1.21 U1.23 U1.24 U1.25 U1.26 U1.28 U1.40 U1.41 U1.50 U1.57 U1.61 U1.62 U4.6 U5.4 U6.1 U6.2 U6.4 U6.5 U6.6 U6.7 U6.10 U6.11 U6.13 U6.14 U6.17 U6.18 U6.19 U6.20 U6.21 U6.22 USBC1. USBC1.A4 USBC1.A5 USBC1.A8 USBC1.A9 USBC1.B4 USBC1.B5 USBC1.B8 USBC1.B9
copper on no net: | length 5
  Top Layer w12: v3@4190,1155 v3@4193.54,1151.46
  other v3: 4133.66,1110.44 7751.11,1110.12 4133.68,3826.73 7751.85,3827.01

## Polygon pours and split planes (outlines as drawn)
NetC26_2 on Bottom Layer "NONET_L-01_P-001" (solid, remove dead copper, pour order 8): 6590,1920 6590,1925 6590,2050 6405,2050 6405,2035 6405,2005 6405,1060 6565,1060 6565,1570 6560,1570 6530,1600 6530,1920
VCC_BAT on Bottom Layer "NONET_L-01_P-001" (solid, remove dead copper, pour order 0): 6660,1465 6745,1465 6745,1255 6605,1255 6600,1250 6600,1045 6950,1045 6955,1050 6955,1585 6660,1585
VCC3_3 on Top Layer "NONET_L-01_P-001" (solid, pour order 33): 5550,2620 5620,2620 5620,2490 5550,2490
NetD3_1 on Top Layer "NONET_L-01_P-001" (solid, remove dead copper, pour order 29): 6470,2200 6730,2200 6765,2235 6765,2445 6645,2445 6645,2325 6545,2325 6545,2260 6470,2260
GND on Top Layer "NONET_L-01_P-001" (solid, remove dead copper, pour order 26): 5327.6,3594.63 5327.77,3594.46 5415,3594.46 5415,3695.54 5412.19,3698.34 5367.19,3698.34 5367.19,3643.34 5327.19,3643.34
GND on Top Layer "NONET_L-01_P-001" (solid, remove dead copper, pour order 25): 5099.59,3596.28 5099.43,3596.12 5012.19,3596.12 5012.19,3697.19 5015,3700 5060,3700 5060,3645 5100,3645
GND on Top Layer "NONET_L-01_P-001" (solid, remove dead copper, pour order 24): 5755,3294.61 5755,3419.61 5825,3419.61 5825,3294.61
VCC5 on Top Layer "NONET_L-01_P-001" (solid, remove dead copper, pour order 18): 5730,3815 5730,3715 5740,3715 5745,3710 5745,3570 5825,3570 5820,3575 5820,3710 5860,3710 5860,3815
GND on Top Layer "NONET_L-01_P-001" (solid, remove dead copper, pour order 17): 5606.89,3210 5606.89,3335 5736.89,3335 5736.89,3205 5606.89,3205
GND on Top Layer "NONET_L-01_P-001" (solid, remove dead copper, pour order 16): 5770,2525 5850,2525 5850,2445 5630,2445 5630,2670 5770,2670
NetC15_1 on Top Layer "NONET_L-01_P-001" (solid, remove dead copper, pour order 15): 5591.89,3120 5591.89,3360 5726.89,3360 5731.89,3365 5731.89,3475 5826.89,3475 5831.89,3480 5831.89,3515 5736.89,3515 5731.89,3520 5731.89,3625 5521.89,3625 5521.89,3475 5451.89,3475 5441.89,3465 5441.89,3405 5521.89,3405 5526.89,3400 5526.89,3120
NetC14_1 on Top Layer "NONET_L-01_P-001" (solid, remove dead copper, pour order 14): 5550,2685 5790,2685 5790,2550 5795,2545 5905,2545 5905,2450 5910,2445 5945,2445 5945,2540 5950,2545 6055,2545 6055,2755 5905,2755 5905,2825 5895,2835 5835,2835 5835,2755 5830,2750 5550,2750
NetC22_2 on Top Layer "NONET_L-01_P-001" (solid, remove dead copper, pour order 11): 6385,2560 6385,2345 6475,2345 6475,2285 6525,2285 6530,2290 6530,2360 6620,2360 6625,2365 6625,2560
GND on Top Layer "NONET_L-01_P-001" (solid, remove dead copper, pour order 12): 6460,2200 6432.19,2200 6430,2202.19 6430,2275 6355,2275 6355,2245 6305,2245 6305,2300 6260,2300 6260,2595 6345,2595 6345,2325 6460,2325
NetC26_2 on Top Layer "NONET_L-01_P-001" (solid, remove dead copper, pour order 9): 6460,2090 6535,2090 6535,2165 6765,2165 6765,2050 6605,2050 6605,1920 6430,1920 6425,1925 6425,2095 6390,2095 6390,2160 6460,2160
VCC12_from_dc on Top Layer "NONET_L-01_P-001" (solid, remove dead copper, pour order 4): 6085,1735 6085,1510 5905,1510 5905,1520 5905,1735 5905,1885 6205,1885 6205,1825 6195,1815 6195,1710 6150,1710 6150,1735 6142.73,1735
GND on Top Layer "NONET_L-01_P-001" (solid, pour order 6): 6670,1610 6670,1619.91 6670,1740 6665,1745 6605,1745 6605,1675 6600,1670 6555,1670 6555,1610
GND on Top Layer "NONET_L-01_P-001" (solid, remove dead copper, pour order 5): 6162.7,1641.25 6198.75,1641.25 6201.57,1641.25 6201.57,1736.57 6215,1750 6215,1795 6230,1810 6230,1890 6300,1890 6305,1885 6305,1785 6275,1785 6265,1775 6265,1700 6310,1700 6310,1690 6265,1690 6265,1610 6260,1605 6160,1605 6160,1640
NetL1_1 on Top Layer "NONET_L-01_P-001" (solid, remove dead copper, pour order 3): 6275,1710 6320,1710 6330,1700 6330,1685 6420,1685 6420,1900 6330,1900 6325,1895 6325,1765 6275,1765
NetL1_2 on Top Layer "NONET_L-01_P-001" (solid, remove dead copper, pour order 2): 6490,1900 6655,1900 6655,1775 6585,1775 6585,1685 6490,1685
VCC_BAT on Top Layer "NONET_L-01_P-001" (solid, remove dead copper, pour order 1): 6675,1905 6675,1765 6695,1745 6695,1585 6660,1585 6660,1460 6810,1460 6810,1905
VCC3_3 on Layer 2 "VCC3_3_L03_P030" (solid, remove dead copper, pour order 30): 4014.97,1097.12 4014.97,3834.97 4015,3835 cw(c4122.5,3837.5) 4120,3945 7756.3,3945 7760,3945 cw(c7762.5,3837.5) 7870,3840 7870,1102.12 cw(c7762.5,1099.62) 7765,992.12 7761.26,992.12 4124.97,992.12 cw(c4122.47,1099.62)
GND on Layer 1 "GND_L02_P032" (solid, remove dead copper, pour order 32): 4014.97,1097.12 4014.97,3834.97 4015,3835 cw(c4122.5,3837.5) 4120,3945 7756.3,3945 7760,3945 cw(c7762.5,3837.5) 7870,3840 7870,1102.12 cw(c7762.5,1099.62) 7765,992.12 7761.26,992.12 4124.97,992.12 cw(c4122.47,1099.62)

## Other copper
Top Layer:
  rectangle net VCC5: 6480,2655 6620,2850
Layer 2:
  rectangle net VCC5: 5730,3545 5860,3815
  rectangle net VCC5: 6480,2720 6620,2920
Bottom Layer:
  rectangle net GND: 6000,3020 6580,3665

## Silkscreen, mask and mechanical layers (free items; w line width, h text height)
Top Overlay:
  lines w6: 6788.85,3741.67 6788.85,1182.61 7851.84,1182.61 ; 6792.01,3745 7855,3745 7855,1185.94
  text "CS3" at 4145,3096.11 h100
  text "RX1" at 5075,3065 h40
  text "TX1" at 5180,3065 h40
  text "GND" at 4965,3060.44 h40
  text "CS2" at 4145,2995.07 h100
  text "3.3" at 5670,2915.44 h40
  text "CS1" at 4145,2893.97 h100
  text "CLK" at 4145,2792.86 h100
  text "SCL" at 4970,2775.44 h40
  text "RX2" at 5405,2775 h40
  text "GND" at 5475,2775.44 h40
  text "GND" at 4760,2770.44 h40
  text "3.3" at 4875,2770.44 h40
  text "SDA" at 5080,2770.44 h40
  text "TX2" at 5270,2770 h40
  text "MISO" at 4145,2691.76 h100
  text "MOSI" at 4145,2590.66 h100
  text "DRDY" at 4145,2491.63 h100
  text "START" at 4145,2390.6 h100
  text "REST" at 4145,2289.49 h100
  text "BATTERY" at 6955,2260 h200
  text "VCC5" at 4145.09,2188.39 h100
  text "VCC3.3" at 4145.09,2087.15 h100
  text "GND" at 4145,1986.11 h100
  text "12V" at 5975,1605 h40
  text "+" at 6540,1493.78 h60
  text "_" at 6530,1430.66 h60
  text "DIO" at 4900,1340.44 h40
  text "3.3" at 4810,1335.44 h40
  text "CLK" at 4995,1335.44 h40
  text "GND" at 5110,1330.44 h40
  text "ON" at 6800,1060 h100
Bottom Overlay:
  drawing of 4580 lines, arcs and shapes, not listed
  text "Designed by heisen" at 7696.22,2230 h100 r90
Mechanical 1:
  lines w10: 4014.97,3834.97 4014.97,1097.12 ccw(c4122.47,1099.62) 4124.97,992.12 7761.26,992.12 ; 4015,3835 cw(c4122.5,3837.5) 4120,3945 5980,3945 5980,3690 6645,3690 6645,3945 7760,3945 cw(c7762.5,3837.5) 7870,3840 7870,1102.4 ; 7765,992.12 ccw(c7762.5,1099.62) 7870,1102.12
Mechanical 13:
  lines w10: 3000.26,2471.2 7993.8,2471.2 ; 4015.55,1110.44 4133.66,1110.44 4133.66,992.33 ; 4015.57,3826.73 4133.68,3826.73 4133.68,3944.84 ; 7751.11,992.01 7751.11,1110.12 7869.22,1110.12 ; 7751.85,3945.12 7751.85,3827.01 7869.96,3827.01